# Altium PCB PASS Capstone.PcbDoc (part 5 of 6)
Units mil, origin at the board's own origin, x right, y up, seen from the top; angles counter-clockwise.
Board outline 9510 x 7745.39 mil, 2 copper layers (L1, L2), stack 62.756 mil thick; 838 components, 509 nets, 2130 pads, 378 vias.
Unrouted connection lines stored in the file: 795.
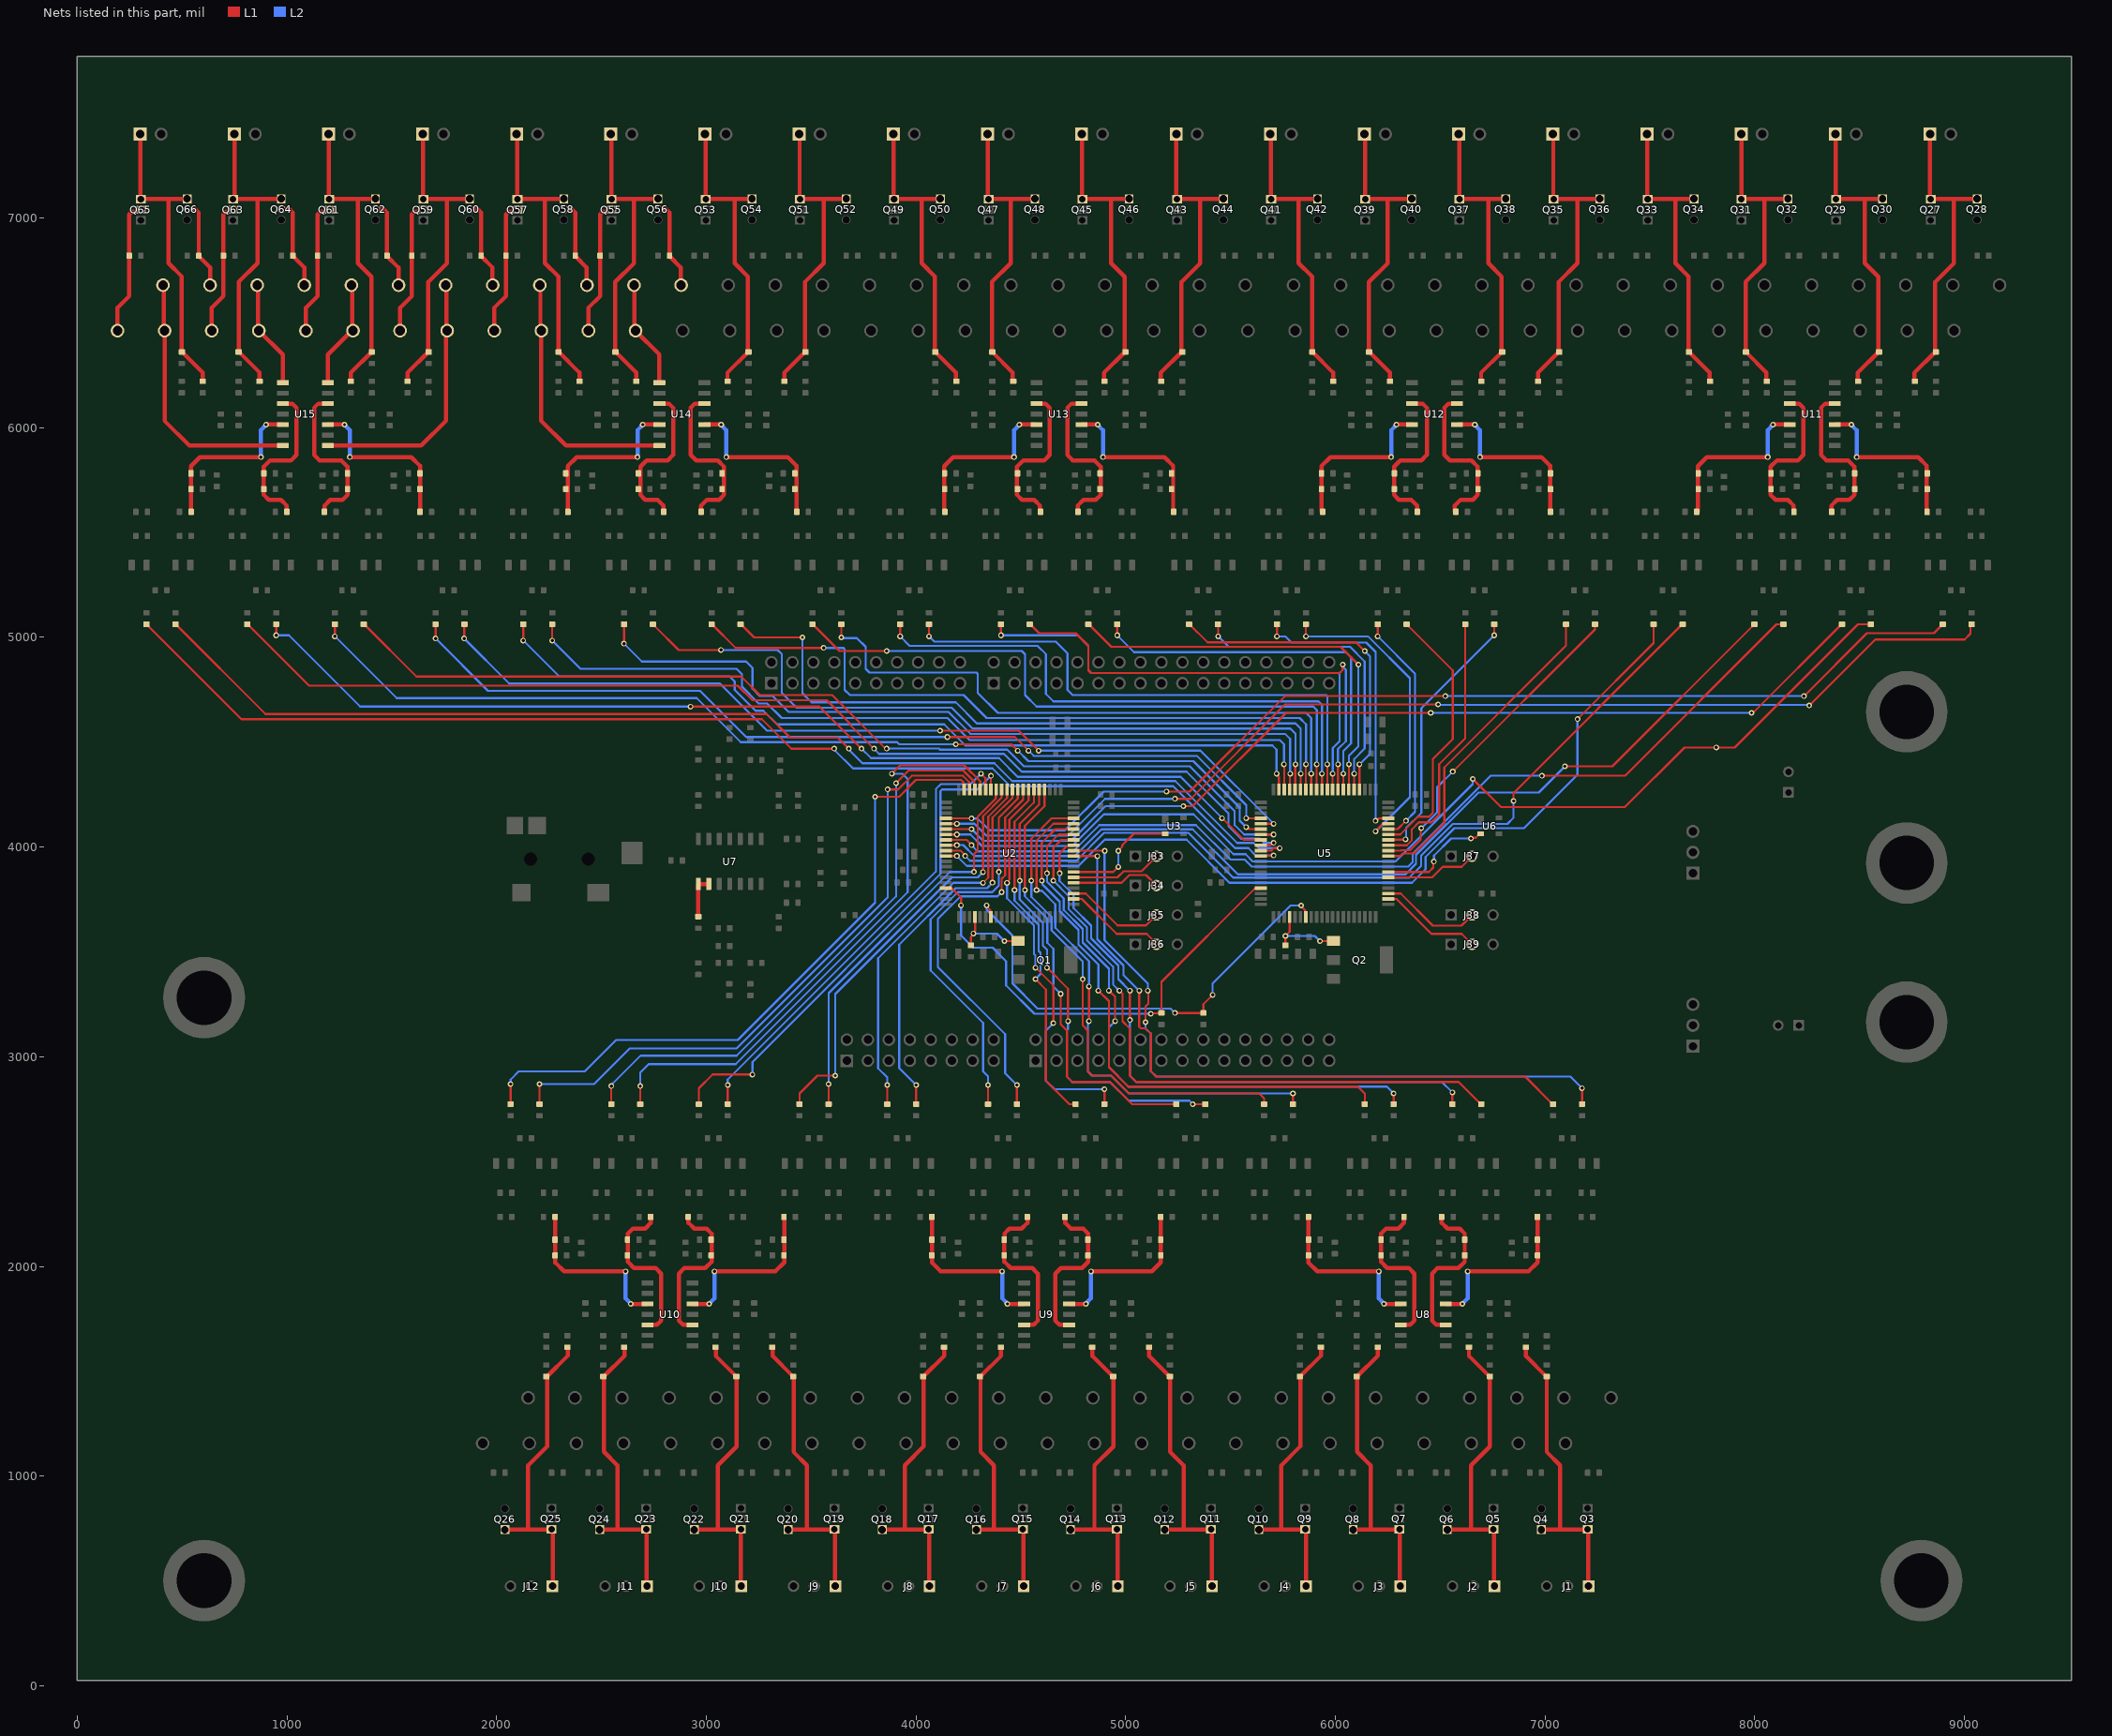
[diagram p5: the nets of this part, all layers, seen from the top]

## Via types
v1: diameter 27, hole 15, L1 to L2, 375 vias
v2: diameter 70, hole 60, L1 to L2, 2 vias
v3: diameter 25, hole 15, L1 to L2, 1 vias

## Nets (pads, with @x,y where several pads share a name; then routed paths per layer and width w, separated by ;. In a path a pad name is that pad's centre, name@x,y a point inside that pad or via, vN(x,y) a via of type N, cw(c..) or ccw(c..) an arc to the next point about the centre after c; other vN are vias at no path point) (continued)
NetD53_1: D53.1 D54.2 U14.8 | length 520.8
  L1 w20: U14.8@2776.49,6215 2776.49,6348.29 2661.92,6462.86 2658.19,6466.59 D53.1@2658.19,6676.27 ; D53.1@2658.19,6676.27 2654.46,6680 D53.1@2658.19,6676.27
NetD53_2: D53.2 Q55.2 R357.2 | length 642.4
  L1 w20: D53.2@2437.32,6462.86 2437.32,6571.57 2493.39,6627.64 2493.39,7017.64 2506.06,7030.31 2538.82,7030.31 Q55.2@2548.51,7040
NetD54_1: D54.1 Q56.2 R358.1 | length 429.7
  L1 w20: Q56.2@2769.37,7041.57 2808.17,7041.57 2824.49,7025.26 R358.1@2824.49,6820 ; Q56.2@2769.58,7041.57 Q56.2@2771.01,7040.15 ; R358.1@2824.49,6818.04 2878.85,6763.67 D54.1@2878.85,6680
NetD55_1: D55.1 D56.2 U14.14 | length 1262.7
  L1 w20: D55.1@2205.25,6680 2208.98,6676.27 2208.98,6466.59 2212.71,6462.86 2212.71,6033.04 2330.75,5915 U14.14@2776.49,5915
NetD55_2: D55.2 Q57.2 R359.2 | length 642.4
  L1 w20: D55.2@1988.1,6462.86 1988.1,6571.57 2044.18,6627.64 2044.18,7017.64 2056.85,7030.31 2089.61,7030.31 Q57.2@2099.3,7040
NetD56_1: D56.1 Q58.2 R360.1 | length 429.7
  L1 w20: Q58.2@2320.37,7041.57 2359.17,7041.57 2375.49,7025.26 R360.1@2375.49,6820 2375.49,6818.04 2429.85,6763.67 D56.1@2429.85,6680
NetD57_1: D57.1 D58.2 U15.1 | length 1262.7
  L1 w20: U15.1@1195.05,5915 1640.79,5915 1758.83,6033.04 D58.2@1758.83,6462.86 ; D57.1@1756.88,6680 1760.62,6676.27 1760.62,6466.59 D58.2@1764.35,6462.86
NetD57_2: D57.2 Q59.2 R401.2 | length 642.4
  L1 w20: D57.2@1539.32,6462.86 1539.32,6571.57 1595.39,6627.64 1595.39,7017.64 1608.06,7030.31 1640.82,7030.31 Q59.2@1650.51,7040
NetD58_1: D58.1 Q60.2 R402.1 | length 427.7
  L1 w20: Q60.2@1871.37,7041.57 1910.17,7041.57 1926.49,7025.26 R402.1@1926.49,6820 ; R402.1@1926.49,6818.04 1980.85,6763.67 D58.1@1980.85,6680
NetD59_1: D59.1 D60.2 U15.7 | length 515.5
  L1 w20: U15.7@1195.05,6215 1195.05,6348.29 D60.2@1309.61,6462.86 ; D59.1@1307.67,6680 1311.4,6676.27 1311.4,6466.59 D60.2@1315.13,6462.86
NetD59_2: D59.2 Q61.2 R403.2 | length 642.4
  L1 w20: D59.2@1090.32,6462.86 1090.32,6571.57 1146.39,6627.64 1146.39,7017.64 1159.06,7030.31 1191.82,7030.31 Q61.2@1201.51,7040
NetD60_1: D60.1 Q62.2 R404.1 | length 429.7
  L1 w20: Q62.2@1422.37,7041.57 1461.17,7041.57 1477.49,7025.26 R404.1@1477.49,6820 ; Q62.2@1422.58,7041.57 Q62.2@1424,7040.15 ; R404.1@1477.49,6818.04 1531.85,6763.67 D60.1@1531.85,6680
NetD61_1: D61.1 D62.2 U15.8 | length 520.8
  L1 w20: U15.8@980.48,6215 980.48,6348.29 D62.2@865.92,6462.86 862.19,6466.59 D61.1@862.19,6676.27 ; D61.1@862.19,6676.27 D61.1@858.46,6680 D61.1@862.19,6676.27
NetD61_2: D61.2 Q63.2 R405.2 | length 642.4
  L1 w20: D61.2@641.32,6462.86 641.32,6571.57 697.39,6627.64 697.39,7017.64 710.06,7030.31 742.82,7030.31 Q63.2@752.51,7040
NetD62_1: D62.1 Q64.2 R406.1 | length 429.7
  L1 w20: Q64.2@973.37,7041.57 1012.17,7041.57 1028.48,7025.26 R406.1@1028.48,6820 ; Q64.2@973.58,7041.57 Q64.2@975,7040.15 ; R406.1@1028.48,6818.04 1082.85,6763.67 D62.1@1082.85,6680
NetD63_1: D63.1 D64.2 U15.14 | length 1262.7
  L1 w20: D63.1@409.24,6680 412.98,6676.27 412.98,6466.59 D64.2@416.71,6462.86 416.71,6033.04 534.75,5915 U15.14@980.48,5915
NetD63_2: D63.2 Q65.2 R407.2 | length 642.4
  L1 w20: D63.2@192.1,6462.86 192.1,6571.57 248.18,6627.64 248.18,7017.64 260.85,7030.31 293.61,7030.31 Q65.2@303.3,7040
NetD64_1: D64.1 Q66.2 R408.1 | length 429.7
  L1 w20: Q66.2@524.37,7041.57 563.17,7041.57 579.48,7025.26 R408.1@579.48,6820 579.48,6818.04 633.85,6763.67 D64.1@633.85,6680
NetJ1_1: J1.1 Q3.1 Q4.1 R57.1 R61.1 | length 1433.1
  L1 w20: R57.1@6908.13,1614.91 6908.13,1572.95 7006.17,1474.91 R61.1@7008.13,1474.91 7008.13,1115.16 7072.07,1051.22 7072.07,745.43 ; Q4.1@6982.45,744.65 6983.24,745.43 7072.07,745.43 ; J1.1@7207.73,475 7206.31,476.42 7206.31,743.22 Q3.1@7203.31,746.22 7202.52,745.43 7072.07,745.43
NetJ2_1: J2.1 Q5.1 Q6.1 R58.1 R62.1 | length 1445.2
  L1 w20: Q6.1@6533.45,744.65 6534.24,745.43 6643.88,745.43 ; R58.1@6637.07,1614.91 6637.07,1572.95 6735.11,1474.91 R62.1@6737.07,1474.91 6737.07,1141.22 6647.07,1051.22 6647.07,748.62 6643.88,745.43 ; J2.1@6758.72,475 6757.31,476.42 6757.31,743.22 Q5.1@6754.31,746.22 6753.52,745.43 6643.88,745.43
NetJ3_1: J3.1 Q7.1 Q8.1 R59.1 R63.1 | length 1431.1
  L1 w20: Q8.1@6084.45,744.65 6085.24,745.43 6304.52,745.43 Q7.1@6305.31,746.22 6308.31,743.22 6308.31,476.42 J3.1@6309.72,475 ; 6167.82,746.03 6167.82,1051.82 6103.89,1115.75 6103.89,1475.51 6201.93,1573.55 R59.1@6201.93,1615.51
NetJ4_1: J4.1 Q9.1 Q10.1 R60.1 R64.1 | length 1438.7
  L1 w20: Q10.1@5635.45,744.65 5636.24,745.43 5855.52,745.43 Q9.1@5856.31,746.22 5859.31,743.22 5859.31,476.42 J4.1@5860.72,475 ; 5742.82,749.22 5742.82,1051.82 5832.82,1141.82 5832.82,1475.51 5930.86,1573.55 R60.1@5930.86,1615.51
NetJ5_1: J5.1 Q11.1 Q12.1 R105.1 R109.1 | length 1433.1
  L1 w20: R105.1@5112.13,1614.91 5112.13,1572.95 5210.17,1474.91 5212.13,1474.91 5212.13,1115.16 5276.07,1051.22 5276.07,745.43 ; Q12.1@5186.45,744.65 5187.24,745.43 5276.07,745.43 ; J5.1@5411.72,475 5410.31,476.42 5410.31,743.22 Q11.1@5407.31,746.22 5406.52,745.43 5276.07,745.43
NetJ6_1: J6.1 Q13.1 Q14.1 R106.1 R110.1 | length 1445.2
  L1 w20: Q14.1@4737.45,744.65 4738.24,745.43 4847.88,745.43 ; R106.1@4841.07,1614.91 4841.07,1572.95 4939.11,1474.91 4941.07,1474.91 4941.07,1141.22 4851.07,1051.22 4851.07,748.62 4847.88,745.43 ; J6.1@4962.72,475 4961.31,476.42 4961.31,743.22 Q13.1@4958.31,746.22 4957.52,745.43 4847.88,745.43
NetJ7_1: J7.1 Q15.1 Q16.1 R107.1 R111.1 | length 1431.1
  L1 w20: Q16.1@4288.45,744.65 4289.24,745.43 4508.52,745.43 Q15.1@4509.31,746.22 4512.31,743.22 4512.31,476.42 J7.1@4513.72,475 ; 4371.82,746.03 4371.82,1051.82 4307.89,1115.75 4307.89,1475.51 4405.92,1573.55 R107.1@4405.92,1615.51
NetJ8_1: J8.1 Q17.1 Q18.1 R108.1 R112.1 | length 1438.7
  L1 w20: Q18.1@3839.45,744.65 3840.24,745.43 4059.52,745.43 Q17.1@4060.31,746.22 4063.31,743.22 4063.31,476.42 J8.1@4064.72,475 ; 3946.82,749.22 3946.82,1051.82 4036.82,1141.82 4036.82,1475.51 4134.86,1573.55 R108.1@4134.86,1615.51
NetJ9_1: J9.1 Q19.1 Q20.1 R153.1 R157.1 | length 1433.1
  L1 w20: R153.1@3316.13,1614.91 3316.13,1572.95 3414.17,1474.91 3416.13,1474.91 3416.13,1115.16 3480.07,1051.22 3480.07,745.43 ; Q20.1@3390.45,744.65 3391.24,745.43 3480.07,745.43 ; J9.1@3615.72,475 3614.31,476.42 3614.31,743.22 Q19.1@3611.31,746.22 3610.52,745.43 3480.07,745.43
NetJ10_1: J10.1 Q21.1 Q22.1 R154.1 R158.1 | length 1442.9
  L1 w20: Q22.1@2941.45,744.65 2942.23,745.43 3051.88,745.43 ; R154.1@3045.07,1614.91 3045.07,1572.95 3143.11,1474.91 3145.07,1474.91 3145.07,1141.22 3055.07,1051.22 3055.07,748.62 3051.88,745.43 ; Q21.1@3161.52,745.43 3051.88,745.43 ; Q21.1@3165.12,746.22 3165.3,746.03 3165.3,476.42 J10.1@3166.72,475
NetJ11_1: J11.1 Q23.1 Q24.1 R155.1 R159.1 | length 1431.1
  L1 w20: Q24.1@2492.45,744.65 2493.23,745.43 2712.52,745.43 Q23.1@2713.31,746.22 2716.3,743.22 2716.3,476.42 J11.1@2717.72,475 ; 2575.82,746.03 2575.82,1051.82 2511.88,1115.75 2511.88,1475.51 2609.92,1573.55 R155.1@2609.92,1615.51
NetJ12_1: J12.1 Q25.1 Q26.1 R156.1 R160.1 | length 1437
  L1 w20: Q26.1@2043.45,744.65 2044.23,745.43 Q25.1@2261.97,745.43 ; 2150.82,749.22 2150.82,1051.82 2240.82,1141.82 2240.82,1475.51 2338.86,1573.55 R156.1@2338.86,1615.51 ; Q25.1@2261.97,746.22 2267.3,740.89 2267.3,476.42 J12.1@2268.72,475
NetJ13_1: J13.1 Q27.1 Q28.1 R201.1 R205.1 | length 1476.3
  L1 w20: R201.1@8762.29,6220.71 8762.29,6262.67 8860.33,6360.71 8860.33,6694.41 8950.33,6784.41 8950.33,7087 ; J13.1@8835.43,7400 8835.43,7091.42 8836.85,7090 8837.64,7090.79 9056.92,7090.79 Q28.1@9057.71,7091.57
NetJ14_1: J14.1 Q29.1 Q30.1 R202.1 R206.1 | length 1468.7
  L1 w20: J14.1@8386.43,7400 8386.43,7091.42 Q29.1@8387.85,7090 8388.64,7090.79 8607.92,7090.79 Q30.1@8608.71,7091.57 ; R202.1@8491.23,6220.71 8491.23,6262.67 8589.27,6360.71 8589.27,6720.47 8525.33,6784.41 8525.33,7090.19
NetJ15_1: J15.1 Q31.1 Q32.1 R203.1 R207.1 | length 1482.7
  L1 w20: J15.1@7937.43,7400 7937.43,7091.42 7938.85,7090 7939.64,7090.79 8049.28,7090.79 ; R203.1@8056.09,6221.31 8056.09,6263.27 7958.05,6361.31 7956.09,6361.31 7956.09,6695 8046.09,6785 8046.09,7087.6 8049.28,7090.79 ; Q32.1@8159.71,7091.57 8158.92,7090.79 8049.28,7090.79
NetJ16_1: J16.1 Q33.1 Q34.1 R204.1 R208.1 | length 1470.6
  L1 w20: J16.1@7488.43,7400 7488.43,7091.42 Q33.1@7489.85,7090 7490.63,7090.79 7621.09,7090.79 ; Q34.1@7710.71,7091.57 7709.92,7090.79 7621.09,7090.79 ; R204.1@7785.02,6221.31 7785.02,6263.27 7686.98,6361.31 7685.02,6361.31 7685.02,6721.06 7621.09,6785 7621.09,7090.79
NetJ17_1: J17.1 Q35.1 Q36.1 R249.1 R253.1 | length 1476.3
  L1 w20: R249.1@6966.29,6220.71 6966.29,6262.67 7064.33,6360.71 7064.33,6694.41 7154.33,6784.41 7154.33,7087 ; J17.1@7039.43,7400 7039.43,7091.42 Q35.1@7040.85,7090 7041.63,7090.79 7260.92,7090.79 Q36.1@7261.71,7091.57
NetJ18_1: J18.1 Q37.1 Q38.1 R250.1 R254.1 | length 1468.7
  L1 w20: J18.1@6590.43,7400 6590.43,7091.42 Q37.1@6591.85,7090 6592.63,7090.79 6811.92,7090.79 Q38.1@6812.71,7091.57 ; R250.1@6695.23,6220.71 6695.23,6262.67 6793.27,6360.71 6793.27,6720.47 6729.33,6784.41 6729.33,7090.19
NetJ19_1: J19.1 Q39.1 Q40.1 R251.1 R255.1 | length 1482.7
  L1 w20: J19.1@6141.43,7400 6141.43,7091.42 Q39.1@6142.85,7090 6143.63,7090.79 6253.28,7090.79 ; R251.1@6260.09,6221.31 6260.09,6263.27 6162.05,6361.31 6160.09,6361.31 6160.09,6695 6250.09,6785 6250.09,7087.6 6253.28,7090.79 ; Q40.1@6363.7,7091.57 6362.92,7090.79 6253.28,7090.79
NetJ20_1: J20.1 Q41.1 Q42.1 R252.1 R256.1 | length 1470.6
  L1 w20: J20.1@5692.43,7400 5692.43,7091.42 Q41.1@5693.85,7090 5694.63,7090.79 5825.09,7090.79 ; Q42.1@5914.7,7091.57 5913.92,7090.79 5825.09,7090.79 ; R252.1@5989.02,6221.31 5989.02,6263.27 5890.98,6361.31 5889.02,6361.31 5889.02,6721.06 5825.09,6785 5825.09,7090.79
NetJ21_1: J21.1 Q43.1 Q44.1 R297.1 R301.1 | length 1476.3
  L1 w20: R297.1@5167.96,6220.71 5167.96,6262.67 5265.99,6360.71 5265.99,6694.41 5356,6784.41 5356,7087 ; J21.1@5241.09,7400 5241.09,7091.42 5242.51,7090 5243.3,7090.79 5462.58,7090.79 Q44.1@5463.37,7091.57
NetJ22_1: J22.1 Q45.1 Q46.1 R298.1 R302.1 | length 1468.7
  L1 w20: J22.1@4792.09,7400 4792.09,7091.42 Q45.1@4793.51,7090 4794.3,7090.79 5013.58,7090.79 Q46.1@5014.37,7091.57 ; R298.1@4896.89,6220.71 4896.89,6262.67 4994.93,6360.71 4994.93,6720.47 4931,6784.41 4931,7090.19
NetJ23_1: J23.1 Q47.1 Q48.1 R299.1 R303.1 | length 1482.7
  L1 w20: J23.1@4343.09,7400 4343.09,7091.42 4344.51,7090 4345.3,7090.79 4454.94,7090.79 ; R299.1@4461.75,6221.31 4461.75,6263.27 4363.71,6361.31 4361.75,6361.31 4361.75,6695 4451.75,6785 4451.75,7087.6 4454.94,7090.79 ; Q48.1@4565.37,7091.57 4564.58,7090.79 4454.94,7090.79
NetJ24_1: J24.1 Q49.1 Q50.1 R300.1 R304.1 | length 1470.6
  L1 w20: J24.1@3894.09,7400 3894.09,7091.42 Q49.1@3895.51,7090 3896.3,7090.79 4026.75,7090.79 ; Q50.1@4116.37,7091.57 4115.58,7090.79 4026.75,7090.79 ; R300.1@4190.69,6221.31 4190.69,6263.27 4092.65,6361.31 4090.69,6361.31 4090.69,6721.06 4026.75,6785 4026.75,7090.79
NetJ25_1: J25.1 Q51.1 Q52.1 R345.1 R349.1 | length 1476.3
  L1 w20: R345.1@3371.95,6220.71 3371.95,6262.67 3469.99,6360.71 3469.99,6694.41 3559.99,6784.41 3559.99,7087 ; J25.1@3445.09,7400 3445.09,7091.42 Q51.1@3446.51,7090 3447.3,7090.79 3666.58,7090.79 Q52.1@3667.37,7091.57
NetJ26_1: J26.1 Q53.1 Q54.1 R346.1 R350.1 | length 1468.7
  L1 w20: J26.1@2996.09,7400 2996.09,7091.42 Q53.1@2997.51,7090 2998.3,7090.79 3217.58,7090.79 Q54.1@3218.37,7091.57 ; R346.1@3100.89,6220.71 3100.89,6262.67 3198.93,6360.71 3198.93,6720.47 3134.99,6784.41 3134.99,7090.19
NetJ27_1: J27.1 Q55.1 Q56.1 R347.1 R351.1 | length 1482.7
  L1 w20: J27.1@2547.09,7400 2547.09,7091.42 Q55.1@2548.51,7090 2549.3,7090.79 2658.94,7090.79 ; R347.1@2665.75,6221.31 2665.75,6263.27 2567.71,6361.31 2565.75,6361.31 2565.75,6695 2655.75,6785 2655.75,7087.6 2658.94,7090.79 ; Q56.1@2769.37,7091.57 2768.58,7090.79 2658.94,7090.79
NetJ28_1: J28.1 Q57.1 Q58.1 R348.1 R352.1 | length 1470.6
  L1 w20: J28.1@2098.09,7400 2098.09,7091.42 Q57.1@2099.51,7090 2100.3,7090.79 2230.75,7090.79 ; Q58.1@2320.37,7091.57 2319.58,7090.79 2230.75,7090.79 ; R348.1@2394.69,6221.31 2394.69,6263.27 2296.65,6361.31 2294.69,6361.31 2294.69,6721.06 2230.75,6785 2230.75,7090.79
NetJ29_1: J29.1 Q59.1 Q60.1 R393.1 R397.1 | length 1476.3
  L1 w20: R393.1@1575.95,6220.71 1575.95,6262.67 1673.99,6360.71 1673.99,6694.41 1763.99,6784.41 1763.99,7087 ; J29.1@1649.09,7400 1649.09,7091.42 Q59.1@1650.51,7090 1651.3,7090.79 1870.58,7090.79 Q60.1@1871.37,7091.57
NetJ30_1: J30.1 Q61.1 Q62.1 R394.1 R398.1 | length 1468.7
  L1 w20: J30.1@1200.09,7400 1200.09,7091.42 Q61.1@1201.51,7090 1202.3,7090.79 1421.58,7090.79 Q62.1@1422.37,7091.57 ; R394.1@1304.89,6220.71 1304.89,6262.67 1402.93,6360.71 1402.93,6720.47 1338.99,6784.41 1338.99,7090.19
NetJ31_1: J31.1 Q63.1 Q64.1 R395.1 R399.1 | length 1482.7
  L1 w20: J31.1@751.09,7400 751.09,7091.42 752.51,7090 753.3,7090.79 862.94,7090.79 ; R395.1@869.75,6221.31 869.75,6263.27 771.71,6361.31 R399.1@769.75,6361.31 769.75,6695 859.75,6785 859.75,7087.6 862.94,7090.79 ; Q64.1@973.37,7091.57 972.58,7090.79 862.94,7090.79
NetJ32_1: J32.1 Q65.1 Q66.1 R396.1 R400.1 | length 1470.6
  L1 w20: J32.1@302.09,7400 302.09,7091.42 Q65.1@303.51,7090 304.3,7090.79 434.75,7090.79 ; Q66.1@524.37,7091.57 523.58,7090.79 434.75,7090.79 ; R396.1@598.68,6221.31 598.68,6263.27 500.64,6361.31 R400.1@498.68,6361.31 498.68,6721.06 434.75,6785 434.75,7090.79
NetJ33_2: J33.2 U2.46 | length 437.7
  L1 w10: U2.46@4751.2,3855.2 4961.05,3855.2 4990.85,3885 5075.85,3885 J33.2@5147.07,3956.22
NetJ34_2: J34.2 U2.45 | length 431.7
  L1 w10: U2.45@4751.2,3829.61 4980.46,3829.61 5017.07,3866.22 5097.07,3866.22 J34.2@5147.07,3816.22
NetJ35_2: J35.2 U2.43 | length 479.6
  L1 w10: U2.43@4751.2,3778.42 4809.96,3778.42 4962.17,3626.22 5097.07,3626.22 J35.2@5147.07,3676.22
NetJ36_2: J36.2 U2.42 | length 489
  L1 w10: U2.42@4751.2,3752.83 4790.55,3752.83 4957.17,3586.22 5100.46,3586.22 J36.2@5150.46,3536.22
NetJ37_2: J37.2 U5.46 | length 441.1
  L1 w10: U5.46@6252.82,3855.2 6461.05,3855.2 6512.07,3906.22 6602.07,3906.22 J37.2@6652.07,3956.22
NetJ38_2: J38.2 U5.43 | length 484
  L1 w10: U5.43@6252.82,3778.42 6311.58,3778.42 6465,3625 6600.85,3625 J38.2@6652.07,3676.22
NetJ39_2: J39.2 U5.42 | length 489
  L1 w10: U5.42@6252.82,3752.83 6292.17,3752.83 6458.78,3586.22 6602.07,3586.22 J39.2@6652.07,3536.22
NetQ1_1: Q1.1 R4.1 U2.24 | length 371.8
  L1 w10: R4.1@4262.07,3531.34 4262.07,3571.62 4273.43,3582.98 v1(4273.43,3587.58) ; v1@4272.93,3587.38 4282.07,3596.53 U2.24@4282.07,3666.5 ; v1(4422.07,3551.22) 4485.54,3551.22 Q1.1@4486.09,3551.77
  L2 w10: v1(4273.43,3587.58) 4273.78,3587.23 4386.06,3587.23 v1(4422.07,3551.22)
NetQ2_1: Q2.1 R11.1 U5.24 | length 383.4
  L1 w10: R11.1@5762.07,3531.34 v1(5762.07,3576.22) 5762.07,3576.53 5782.07,3596.53 5782.07,3666.5 U5.24@5782.35,3666.22 ; v1(5927.07,3551.22) 5990.53,3551.22 Q2.1@5991.09,3551.77
  L2 w10: v1(5762.07,3576.22) 5902.07,3576.22 v1(5927.07,3551.22)
NetR2_1: R2.1 U2.17 U5.17 | length 2258.1
  L1 w10: U2.17@4142.94,3804.02 4146.4,3800.55 4173.37,3800.55 4215,3758.92 v1(4215,3721.72) ; v1(5120,3205) 5121.89,3206.89 5168.7,3206.89 R2.1@5170.59,3208.78 5170.59,3357.02 5614.11,3800.55 5641.08,3800.55 U5.17@5644.55,3804.02
  L2 w10: v1(4215,3721.72) 4215,3578.41 4273.65,3519.76 4365.66,3519.76 4430,3455.42 4430,3340 4565,3205 v1(5120,3205)
NetR3_1: R3.1 U2.27 U5.27 | length 2255.3
  L1 w10: v1(4337.07,3721.72) 4337.07,3717.12 4354.04,3700.15 4354.04,3669.69 U2.27@4357.5,3666.22 ; v1(5235,3208.78) R3.1@5370.59,3208.78 5370.59,3250.59 v1(5415,3295) ; v1(5837.07,3721.22) 5837.07,3718.08 5855.65,3699.5 5855.65,3669.69 U5.27@5859.12,3666.22
  L2 w10: v1(4337.07,3721.72) 4337.07,3701.22 4460,3578.29 4460,3350 4580,3230 5213.78,3230 v1(5235,3208.78) ; v1(5415,3295) 5415,3350 5786.22,3721.22 v1(5837.07,3721.22)
NetR5_2: R5.2 U7.1 U7.2 | length 205.6
  L1 w20: R5.2@2962.07,3668.32 U7.1@2962.07,3823.94 U7.2@3012.07,3823.94
NetR25_1: R25.1 U2.50 | length 3242.8
  L1 w10: U2.50@4751.2,3957.56 4751.75,3957.01 4864.45,3957.01 v1(4865,3956.47) ; v1(5065,3315) 5065,3142.11 5070.86,3136.25 5093.75,3136.25 5120,3110 5120,2930 5145,2905 6905.15,2905 7036.37,2773.78 R25.1@7038.33,2773.78
  L2 w10: v1(4865,3956.47) 4865,3560 4990,3435 4990,3390 v1(5065,3315)
NetR26_1: R26.1 U2.51 | length 3470.6
  L1 w10: U2.51@4751.2,3983.15 4751.92,3982.44 4899.28,3982.44 v1(4900,3981.72) ; v1(5095,3165) 5095,3239.88 5108.25,3253.13 5108.25,3311.75 v1(5105,3315) ; R26.1@7176.64,2773.78 v1(7176.64,2850)
  L2 w10: v1(4900,3981.72) 4898.89,3980.61 4898.89,3556.11 5106.5,3348.5 5106.5,3316.5 v1(5105,3315) ; v1(5095,3165) 5095,3135 5120,3110 5120,2931.31 5146.31,2905 7121.64,2905 v1(7176.64,2850)
NetR27_1: R27.1 U2.52 | length 2908
  L1 w10: v1(4685,3875) 4685,3969.51 4720.76,4005.28 4747.74,4005.28 U2.52@4751.2,4008.74 ; v1(5020,3175) v1(5020,3315) ; R27.1@6557.89,2773.78 v1(6557.89,2830)
  L2 w10: v1(4685,3875) 4685,3838.7 4751.2,3772.5 4751.2,3708.78 4835,3624.98 4835,3565 4965,3435 4965,3370 v1(5020,3315) ; v1(5020,3175) 5020,2910 5050,2880 6507.89,2880 v1(6557.89,2830)
NetR28_1: R28.1 U2.53 | length 3082.3
  L1 w10: v1(4655,3840) 4655,3997.32 4692.01,4034.33 U2.53@4751.2,4034.33 ; v1(4970,3315) 4985.36,3299.64 4985.36,3169.64 5020,3135 5020,2910 5050,2880 6587.63,2880 6693.85,2773.78 R28.1@6695.81,2773.78
  L2 w10: v1(4655,3840) 4727.66,3767.34 4727.66,3704.49 4815,3617.15 4815,3555 4940,3430 4940,3345 v1(4970,3315)
NetR29_1: R29.1 U2.54 | length 2811.2
  L1 w10: v1(4625,3875) 4625,4004.21 4680.71,4059.92 U2.54@4751.2,4059.92 ; v1(4920,3315) 4950,3285 v1(4950,3170) ; R29.1@6278.25,2773.78 v1(6278.25,2825)
  L2 w10: v1(4625,3875) 4625,3834.59 4705,3754.59 4705,3700 4795,3610 4795,3545 4920,3420 v1(4920,3315) ; v1(4950,3170) 4920,3140 4920,2950.95 5013.45,2857.5 6245.75,2857.5 v1(6278.25,2825)
NetR30_1: R30.1 U2.55 | length 2704.2
  L1 w10: v1(4600,3840) 4600,4020 4665.51,4085.51 U2.55@4751.2,4085.51 ; v1(4870,3315) 4920,3265 4920,2950 5012.5,2857.5 6107.83,2857.5 6140.33,2825 R30.1@6140.33,2773.78
  L2 w10: v1(4600,3840) 4602.65,3837.35 4602.65,3822.35 4685.49,3739.51 4685.49,3694.51 4775,3605 4775,3535 4870,3440 v1(4870,3315)
NetR31_1: R31.1 U2.56 | length 2501.1
  L1 w10: v1(4575,3795) 4575,4030.51 4655.59,4111.1 U2.56@4751.2,4111.1 ; v1(4825,3170) v1(4825,3335) ; R31.1@5797.81,2773.78 v1(5797.81,2825)
  L2 w10: v1(4575,3795) 4578.25,3791.75 4600.28,3791.75 4664.59,3727.44 4664.59,3615.41 4825,3455 v1(4825,3335) ; v1(4825,3170) 4821.75,3166.75 4821.75,3157.39 4820,3155.64 4820,2930 4840,2910 4930,2910 5015,2825 v1(5797.81,2825)
NetR32_1: R32.1 U2.57 | length 2384.1
  L1 w10: v1(4550,3840) 4550,4040 4646.69,4136.69 U2.57@4751.2,4136.69 ; v1(4795,3370) 4795,3315.14 4795,3150 4820,3125 4820,2930 4840.55,2909.45 4930.55,2909.45 5015,2825 5636.67,2825 5659.89,2801.78 R32.1@5659.89,2773.78
  L2 w10: v1(4550,3840) 4550,3762.7 4646.48,3666.22 4646.48,3603.17 4795,3454.65 v1(4795,3370)
NetR41_1: R41.1 R49.1 R53.1 U8.12 | length 812.4
  L1 w20: U8.12@6526.33,1821.22 v1(6606.03,1821.22) ; v1(6631.03,1976.22) 6921.22,1976.22 6963.92,2018.92 R53.1@6963.92,2052.57 ; R53.1@6963.92,2051.22 6963.92,2126.22 R41.1@6963.92,2236.22
  L2 w20: v1@6606.03,1823.11 6631.03,1848.11 v1(6631.03,1976.22)
NetR43_1: R43.1 R50.1 R54.1 U8.10 | length 775
  L1 w20: R43.1@6507.11,2236.22 6507.18,2236.14 6507.18,2207.82 6535,2180 6593.59,2180 6616.95,2156.65 R50.1@6616.95,2127.57 ; U8.10@6526.33,1721.22 6481.03,1721.22 6461.03,1741.22 6461.03,1966.22 6487.18,1992.37 6587.37,1992.37 6616.95,2021.95 R54.1@6616.95,2052.57 ; R54.1@6616.95,2051.22 R50.1@6616.95,2129.53
NetR45_1: R45.1 R51.1 R55.1 U8.5 | length 776.8
  L1 w20: R55.1@6217.71,2051.22 R51.1@6217.71,2128.18 ; R55.1@6217.71,2052.57 6217.71,2022.29 6247.63,1992.37 6350.92,1992.37 6377.07,1966.22 6377.07,1741.22 6357.07,1721.22 U8.5@6311.77,1721.22 ; R51.1@6218.1,2127.57 6218.1,2156.65 6241.45,2180 6300.05,2180 6327.86,2207.82 R45.1@6327.86,2236.14
NetR47_1: R47.1 R52.1 R56.1 U8.3 | length 816.9
  L1 w20: R52.1@5872.22,2126.22 R47.1@5872.22,2236.22 ; R52.1@5872.22,2127.57 5872.22,2017.78 5913.78,1976.22 v1(6207.07,1976.22) ; v1(6232.07,1821.22) U8.3@6311.77,1821.22
  L2 w20: v1(6207.07,1976.22) 6207.07,1848.11 6232.07,1823.11 v1(6232.07,1821.22)